# Altium PCB top_LM_v2.PcbDoc (part 1 of 5) (continued)
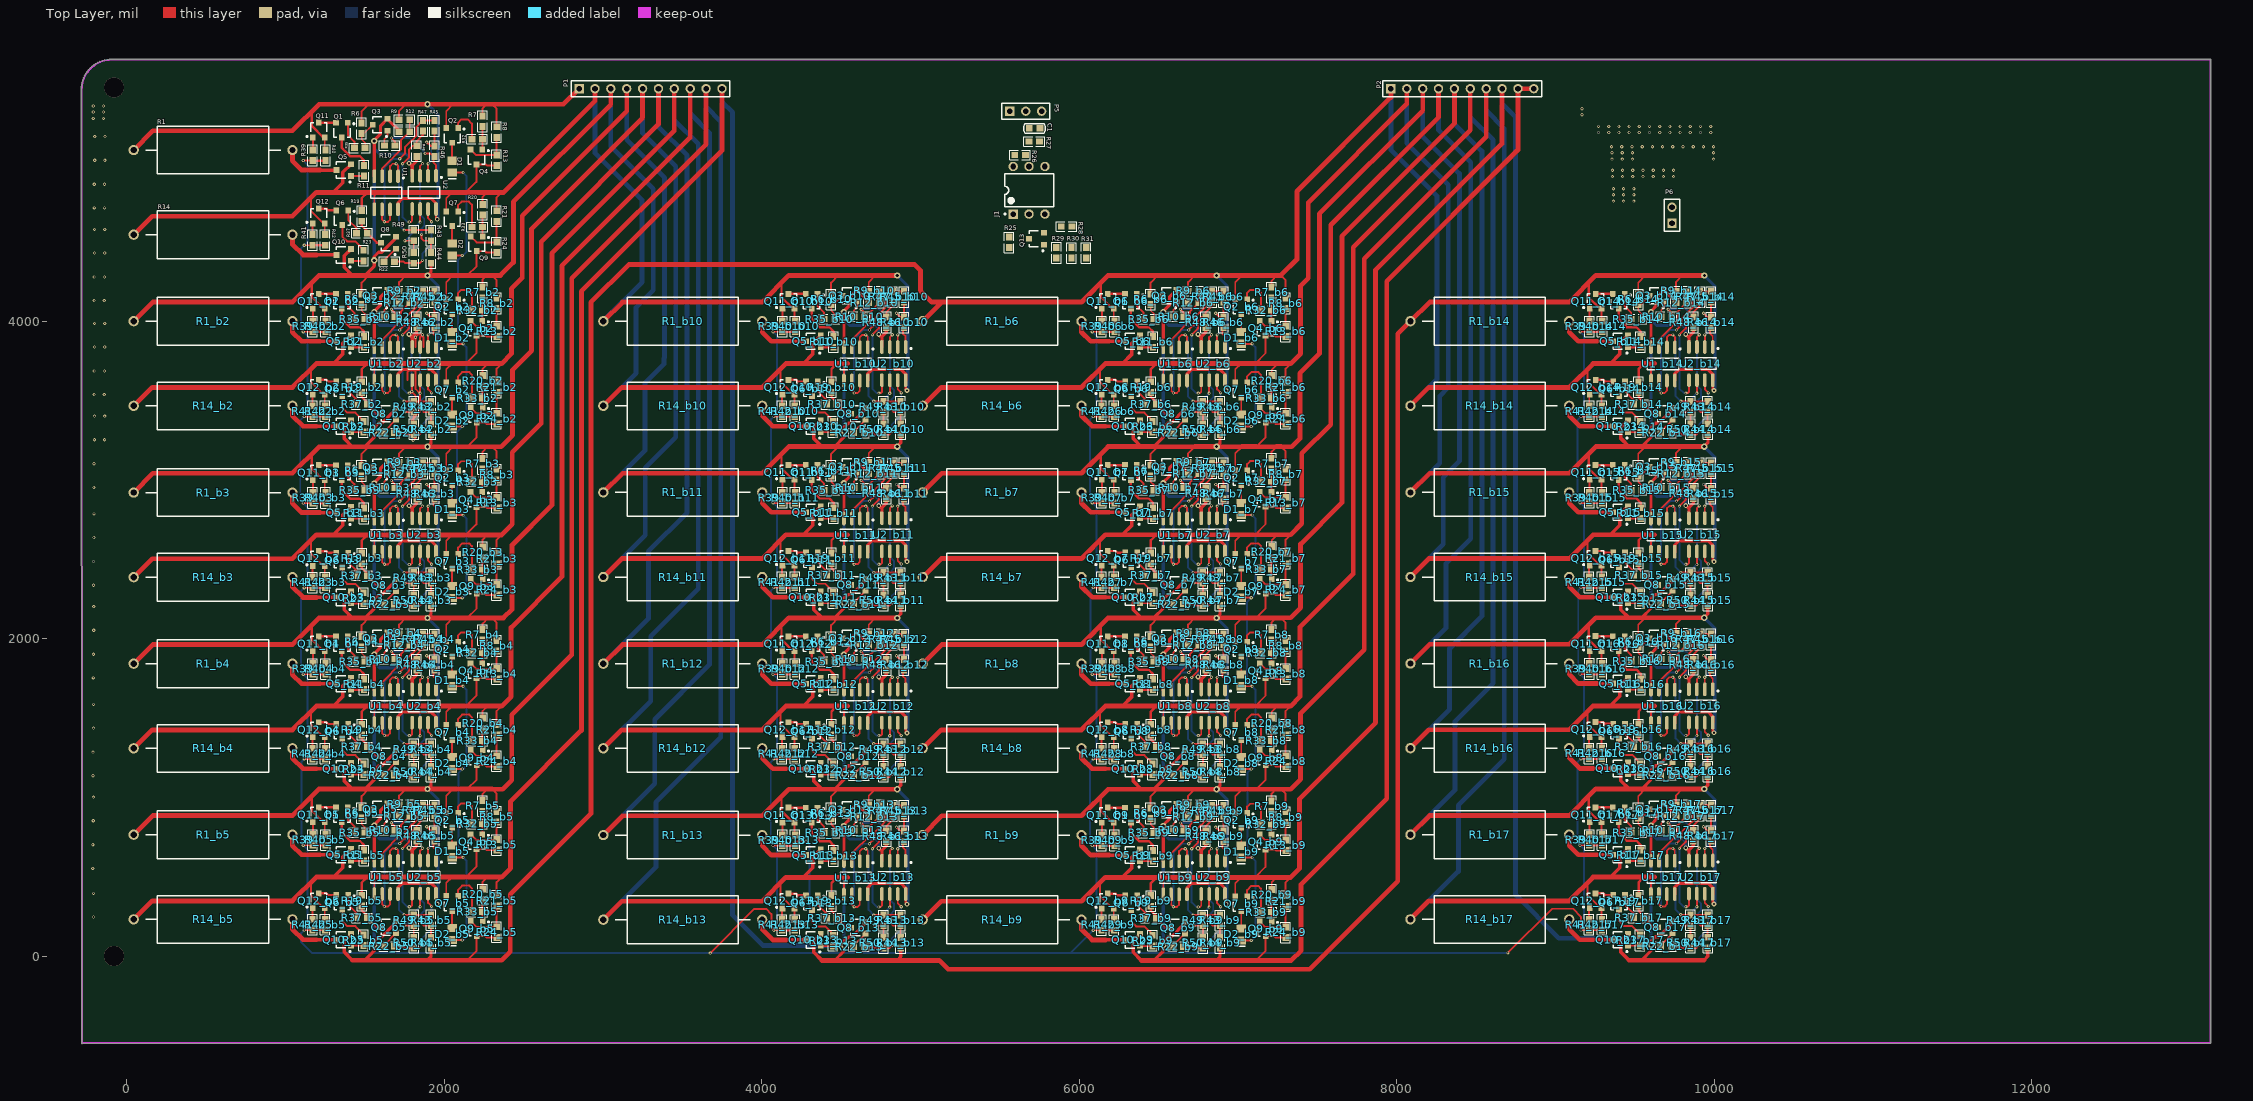
[diagram p0: Top Layer view]
## Components (designator, comment, footprint, x,y, rotation, side; value= is the part's Value field where it differs from the comment) (continued)
Q6_b10 "MMBT3906" SOT23-3 4316.87,3573.54 r180 top (schematic designator Q6)
Q6_b11 "MMBT3906" SOT23-3 4316.87,2495.54 r180 top (schematic designator Q6)
Q6_b12 "MMBT3906" SOT23-3 4316.87,1416.54 r180 top (schematic designator Q6)
Q6_b13 "MMBT3906" SOT23-3 4316.87,337.54 r180 top (schematic designator Q6)
Q6_b14 "MMBT3906" SOT23-3 9399.87,3573.54 r180 top (schematic designator Q6)
Q6_b15 "MMBT3906" SOT23-3 9399.61,2495.54 r180 top (schematic designator Q6)
Q6_b16 "MMBT3906" SOT23-3 9399.61,1417.54 r180 top (schematic designator Q6)
Q6_b17 "MMBT3906" SOT23-3 9399.61,339.54 r180 top (schematic designator Q6)
Q7 "MMBT5400" SOT23-3 2050.87,4644.54 r180 top
Q7_b2 "MMBT5400" SOT23-3 2050.87,3566.54 r180 top (schematic designator Q7)
Q7_b3 "MMBT5400" SOT23-3 2050.87,2487.54 r180 top (schematic designator Q7)
Q7_b4 "MMBT5400" SOT23-3 2050.87,1409.54 r180 top (schematic designator Q7)
Q7_b5 "MMBT5400" SOT23-3 2050.87,332.54 r180 top (schematic designator Q7)
Q7_b6 "MMBT5400" SOT23-3 7020.12,3566.54 r180 top (schematic designator Q7)
Q7_b7 "MMBT5400" SOT23-3 7020.12,2488.54 r180 top (schematic designator Q7)
Q7_b8 "MMBT5400" SOT23-3 7020.12,1409.54 r180 top (schematic designator Q7)
Q7_b9 "MMBT5400" SOT23-3 7020.12,330.54 r180 top (schematic designator Q7)
Q8 "MMBT3904" SOT23-3 1650,4494.26 r90 top
Q8_b2 "MMBT3904" SOT23-3 1650,3416.26 r90 top (schematic designator Q8)
Q8_b3 "MMBT3904" SOT23-3 1650,2337.26 r90 top (schematic designator Q8)
Q8_b4 "MMBT3904" SOT23-3 1650,1259.26 r90 top (schematic designator Q8)
Q8_b5 "MMBT3904" SOT23-3 1650,182.26 r90 top (schematic designator Q8)
Q8_b6 "MMBT3904" SOT23-3 6619.25,3416.26 r90 top (schematic designator Q8)
Q8_b7 "MMBT3904" SOT23-3 6619.25,2338.26 r90 top (schematic designator Q8)
Q8_b8 "MMBT3904" SOT23-3 6619.25,1259.26 r90 top (schematic designator Q8)
Q8_b9 "MMBT3904" SOT23-3 6619.25,180.26 r90 top (schematic designator Q8)
Q8_b10 "MMBT3904" SOT23-3 4608,3416.26 r90 top (schematic designator Q8)
Q8_b11 "MMBT3904" SOT23-3 4608,2338.26 r90 top (schematic designator Q8)
Q8_b12 "MMBT3904" SOT23-3 4608,1259.26 r90 top (schematic designator Q8)
Q8_b13 "MMBT3904" SOT23-3 4608,180.26 r90 top (schematic designator Q8)
Q8_b14 "MMBT3904" SOT23-3 9691,3416.26 r90 top (schematic designator Q8)
Q8_b15 "MMBT3904" SOT23-3 9690.75,2338.26 r90 top (schematic designator Q8)
Q8_b16 "MMBT3904" SOT23-3 9690.75,1260.26 r90 top (schematic designator Q8)
Q8_b17 "MMBT3904" SOT23-3 9690.75,182.26 r90 top (schematic designator Q8)
Q9 "TL431" SOT23-3 2204.87,4486.54 r180 top
Q9_b2 "TL431" SOT23-3 2204.87,3408.54 r180 top (schematic designator Q9)
Q9_b3 "TL431" SOT23-3 2204.87,2329.54 r180 top (schematic designator Q9)
Q9_b4 "TL431" SOT23-3 2204.87,1251.54 r180 top (schematic designator Q9)
Q9_b5 "TL431" SOT23-3 2204.87,174.54 r180 top (schematic designator Q9)
Q9_b6 "TL431" SOT23-3 7174.12,3408.54 r180 top (schematic designator Q9)
Q9_b7 "TL431" SOT23-3 7174.12,2330.54 r180 top (schematic designator Q9)
Q9_b8 "TL431" SOT23-3 7174.12,1251.54 r180 top (schematic designator Q9)
Q9_b9 "TL431" SOT23-3 7174.12,172.54 r180 top (schematic designator Q9)
Q10 "MOSFET-N" SOT23-3 1367.87,4416.54 r90 top
Q10_b2 "MOSFET-N" SOT23-3 1367.87,3338.54 r90 top (schematic designator Q10)
Q10_b3 "MOSFET-N" SOT23-3 1367.87,2259.54 r90 top (schematic designator Q10)
Q10_b4 "MOSFET-N" SOT23-3 1367.87,1181.54 r90 top (schematic designator Q10)
Q10_b5 "MOSFET-N" SOT23-3 1367.87,104.54 r90 top (schematic designator Q10)
Q10_b6 "MOSFET-N" SOT23-3 6337.12,3338.54 r90 top (schematic designator Q10)
Q10_b7 "MOSFET-N" SOT23-3 6337.12,2260.54 r90 top (schematic designator Q10)
Q10_b8 "MOSFET-N" SOT23-3 6337.12,1181.54 r90 top (schematic designator Q10)
Q10_b9 "MOSFET-N" SOT23-3 6337.12,102.54 r90 top (schematic designator Q10)
Q10_b10 "MOSFET-N" SOT23-3 4325.87,3338.54 r90 top (schematic designator Q10)
Q10_b11 "MOSFET-N" SOT23-3 4325.87,2260.54 r90 top (schematic designator Q10)
Q10_b12 "MOSFET-N" SOT23-3 4325.87,1181.54 r90 top (schematic designator Q10)
Q10_b13 "MOSFET-N" SOT23-3 4325.87,102.54 r90 top (schematic designator Q10)
Q10_b14 "MOSFET-N" SOT23-3 9408.87,3338.54 r90 top (schematic designator Q10)
Q10_b15 "MOSFET-N" SOT23-3 9408.61,2260.54 r90 top (schematic designator Q10)
Q10_b16 "MOSFET-N" SOT23-3 9408.61,1182.54 r90 top (schematic designator Q10)
Q10_b17 "MOSFET-N" SOT23-3 9408.61,104.54 r90 top (schematic designator Q10)
Q11 "MMBT3906" SOT23-3 1211,5203.26 r0 top
Q11_b2 "MMBT3906" SOT23-3 1211,4125.26 r0 top (schematic designator Q11)
Q11_b3 "MMBT3906" SOT23-3 1211,3046.26 r0 top (schematic designator Q11)
Q11_b4 "MMBT3906" SOT23-3 1211,1968.26 r0 top (schematic designator Q11)
Q11_b5 "MMBT3906" SOT23-3 1211,891.26 r0 top (schematic designator Q11)
Q11_b6 "MMBT3906" SOT23-3 6180.25,4125.26 r0 top (schematic designator Q11)
Q11_b7 "MMBT3906" SOT23-3 6180.25,3047.26 r0 top (schematic designator Q11)
Q11_b8 "MMBT3906" SOT23-3 6180.25,1968.26 r0 top (schematic designator Q11)
Q11_b9 "MMBT3906" SOT23-3 6180.25,889.26 r0 top (schematic designator Q11)
Q11_b10 "MMBT3906" SOT23-3 4169,4125.26 r0 top (schematic designator Q11)
Q11_b11 "MMBT3906" SOT23-3 4169,3047.26 r0 top (schematic designator Q11)
Q11_b12 "MMBT3906" SOT23-3 4169,1968.26 r0 top (schematic designator Q11)
Q11_b13 "MMBT3906" SOT23-3 4169,889.26 r0 top (schematic designator Q11)
Q11_b14 "MMBT3906" SOT23-3 9252,4125.26 r0 top (schematic designator Q11)
Q11_b15 "MMBT3906" SOT23-3 9251.75,3047.26 r0 top (schematic designator Q11)
Q11_b16 "MMBT3906" SOT23-3 9251.75,1969.26 r0 top (schematic designator Q11)
Q11_b17 "MMBT3906" SOT23-3 9251.75,891.26 r0 top (schematic designator Q11)
Q12 "MMBT3906" SOT23-3 1211,4662.26 r0 top
Q12_b2 "MMBT3906" SOT23-3 1211,3584.26 r0 top (schematic designator Q12)
Q12_b3 "MMBT3906" SOT23-3 1211,2505.26 r0 top (schematic designator Q12)
Q12_b4 "MMBT3906" SOT23-3 1211,1427.26 r0 top (schematic designator Q12)
Q12_b5 "MMBT3906" SOT23-3 1211,350.26 r0 top (schematic designator Q12)
Q12_b6 "MMBT3906" SOT23-3 6180.25,3584.26 r0 top (schematic designator Q12)
Q12_b7 "MMBT3906" SOT23-3 6180.25,2506.26 r0 top (schematic designator Q12)
Q12_b8 "MMBT3906" SOT23-3 6180.25,1427.26 r0 top (schematic designator Q12)
Q12_b9 "MMBT3906" SOT23-3 6180.25,348.26 r0 top (schematic designator Q12)
Q12_b10 "MMBT3906" SOT23-3 4169,3584.26 r0 top (schematic designator Q12)
Q12_b11 "MMBT3906" SOT23-3 4169,2506.26 r0 top (schematic designator Q12)
Q12_b12 "MMBT3906" SOT23-3 4169,1427.26 r0 top (schematic designator Q12)
Q12_b13 "MMBT3906" SOT23-3 4169,348.26 r0 top (schematic designator Q12)
Q12_b14 "MMBT3906" SOT23-3 9252,3584.26 r0 top (schematic designator Q12)
Q12_b15 "MMBT3906" SOT23-3 9251.75,2506.26 r0 top (schematic designator Q12)
Q12_b16 "MMBT3906" SOT23-3 9251.75,1428.26 r0 top (schematic designator Q12)
Q12_b17 "MMBT3906" SOT23-3 9251.75,350.26 r0 top (schematic designator Q12)
Q13 "NPN" SOT23-3 5731,4518 r90 top
R1 "Res1" AXIAL-1.0 545,5077.26 r180 top
R1_b2 "Res1" AXIAL-1.0 545,3999.26 r180 top (schematic designator R1)
R1_b3 "Res1" AXIAL-1.0 545,2920.26 r180 top (schematic designator R1)
R1_b4 "Res1" AXIAL-1.0 545,1842.26 r180 top (schematic designator R1)
R1_b5 "Res1" AXIAL-1.0 545,765.26 r180 top (schematic designator R1)
R1_b6 "Res1" AXIAL-1.0 5514.25,3999.26 r180 top (schematic designator R1)
R1_b7 "Res1" AXIAL-1.0 5514.25,2921.26 r180 top (schematic designator R1)
R1_b8 "Res1" AXIAL-1.0 5514.25,1842.26 r180 top (schematic designator R1)
R1_b9 "Res1" AXIAL-1.0 5514.25,763.26 r180 top (schematic designator R1)
R1_b10 "Res1" AXIAL-1.0 3503,3999.26 r180 top (schematic designator R1)
R1_b11 "Res1" AXIAL-1.0 3503,2921.26 r180 top (schematic designator R1)
R1_b12 "Res1" AXIAL-1.0 3503,1842.26 r180 top (schematic designator R1)
R1_b13 "Res1" AXIAL-1.0 3503,763.26 r180 top (schematic designator R1)
R1_b14 "Res1" AXIAL-1.0 8586,3999.26 r180 top (schematic designator R1)
R1_b15 "Res1" AXIAL-1.0 8585.75,2921.26 r180 top (schematic designator R1)
R1_b16 "Res1" AXIAL-1.0 8585.75,1843.26 r180 top (schematic designator R1)
R1_b17 "Res1" AXIAL-1.0 8585.75,765.26 r180 top (schematic designator R1)
R6 "Res1" 0603-1 1479.87,5215 r90 top
R6_b2 "Res1" 0603-1 1479.87,4137 r90 top (schematic designator R6)
R6_b3 "Res1" 0603-1 1479.87,3058 r90 top (schematic designator R6)
R6_b4 "Res1" 0603-1 1479.87,1980 r90 top (schematic designator R6)
R6_b5 "Res1" 0603-1 1479.87,903 r90 top (schematic designator R6)
R6_b6 "Res1" 0603-1 6449.12,4137 r90 top (schematic designator R6)
R6_b7 "Res1" 0603-1 6449.12,3059 r90 top (schematic designator R6)
R6_b8 "Res1" 0603-1 6449.12,1980 r90 top (schematic designator R6)
R6_b9 "Res1" 0603-1 6449.12,901 r90 top (schematic designator R6)
R6_b10 "Res1" 0603-1 4437.87,4137 r90 top (schematic designator R6)
R6_b11 "Res1" 0603-1 4437.87,3059 r90 top (schematic designator R6)
R6_b12 "Res1" 0603-1 4437.87,1980 r90 top (schematic designator R6)
R6_b13 "Res1" 0603-1 4437.87,901 r90 top (schematic designator R6)
R6_b14 "Res1" 0603-1 9520.87,4137 r90 top (schematic designator R6)
R6_b15 "Res1" 0603-1 9520.61,3059 r90 top (schematic designator R6)
R6_b16 "Res1" 0603-1 9520.61,1981 r90 top (schematic designator R6)
R6_b17 "Res1" 0603-1 9520.61,903 r90 top (schematic designator R6)
R7 "Res1" 0603-1 2242,5259 r90 top
R7_b2 "Res1" 0603-1 2242,4181 r90 top (schematic designator R7)
R7_b3 "Res1" 0603-1 2242,3102 r90 top (schematic designator R7)
R7_b4 "Res1" 0603-1 2242,2024 r90 top (schematic designator R7)
R7_b5 "Res1" 0603-1 2242,947 r90 top (schematic designator R7)
R7_b6 "Res1" 0603-1 7211.25,4181 r90 top (schematic designator R7)
R7_b7 "Res1" 0603-1 7211.25,3103 r90 top (schematic designator R7)
R7_b8 "Res1" 0603-1 7211.25,2024 r90 top (schematic designator R7)
R7_b9 "Res1" 0603-1 7211.25,945 r90 top (schematic designator R7)
R8 "Res1" 0603-1 2330.87,5190.54 r90 top
R8_b2 "Res1" 0603-1 2330.87,4112.54 r90 top (schematic designator R8)
R8_b3 "Res1" 0603-1 2330.87,3033.54 r90 top (schematic designator R8)
R8_b4 "Res1" 0603-1 2330.87,1955.54 r90 top (schematic designator R8)
R8_b5 "Res1" 0603-1 2330.87,878.54 r90 top (schematic designator R8)
R8_b6 "Res1" 0603-1 7300.12,4112.54 r90 top (schematic designator R8)
R8_b7 "Res1" 0603-1 7300.12,3034.54 r90 top (schematic designator R8)
R8_b8 "Res1" 0603-1 7300.12,1955.54 r90 top (schematic designator R8)
R8_b9 "Res1" 0603-1 7300.12,876.54 r90 top (schematic designator R8)
R9 "Res1" 0603-1 1750,5268.26 r180 top
R9_b2 "Res1" 0603-1 1750,4190.26 r180 top (schematic designator R9)
R9_b3 "Res1" 0603-1 1750,3111.26 r180 top (schematic designator R9)
R9_b4 "Res1" 0603-1 1750,2033.26 r180 top (schematic designator R9)
R9_b5 "Res1" 0603-1 1750,956.26 r180 top (schematic designator R9)
R9_b6 "Res1" 0603-1 6719.25,4190.26 r180 top (schematic designator R9)
R9_b7 "Res1" 0603-1 6719.25,3112.26 r180 top (schematic designator R9)
R9_b8 "Res1" 0603-1 6719.25,2033.26 r180 top (schematic designator R9)
R9_b9 "Res1" 0603-1 6719.25,954.26 r180 top (schematic designator R9)
R9_b10 "Res1" 0603-1 4708,4190.26 r180 top (schematic designator R9)
R9_b11 "Res1" 0603-1 4708,3112.26 r180 top (schematic designator R9)
R9_b12 "Res1" 0603-1 4708,2033.26 r180 top (schematic designator R9)
R9_b13 "Res1" 0603-1 4708,954.26 r180 top (schematic designator R9)
R9_b14 "Res1" 0603-1 9791,4190.26 r180 top (schematic designator R9)
R9_b15 "Res1" 0603-1 9790.75,3112.26 r180 top (schematic designator R9)
R9_b16 "Res1" 0603-1 9790.75,2034.26 r180 top (schematic designator R9)
R9_b17 "Res1" 0603-1 9790.75,956.26 r180 top (schematic designator R9)
R10 "Res1" 0603-1 1657,5106.26 r0 top
R10_b2 "Res1" 0603-1 1657,4028.26 r0 top (schematic designator R10)
R10_b3 "Res1" 0603-1 1657,2949.26 r0 top (schematic designator R10)
R10_b4 "Res1" 0603-1 1657,1871.26 r0 top (schematic designator R10)
R10_b5 "Res1" 0603-1 1657,794.26 r0 top (schematic designator R10)
R10_b6 "Res1" 0603-1 6626.25,4028.26 r0 top (schematic designator R10)
R10_b7 "Res1" 0603-1 6626.25,2950.26 r0 top (schematic designator R10)
R10_b8 "Res1" 0603-1 6626.25,1871.26 r0 top (schematic designator R10)
R10_b9 "Res1" 0603-1 6626.25,792.26 r0 top (schematic designator R10)
R10_b10 "Res1" 0603-1 4615,4028.26 r0 top (schematic designator R10)
R10_b11 "Res1" 0603-1 4615,2950.26 r0 top (schematic designator R10)
R10_b12 "Res1" 0603-1 4615,1871.26 r0 top (schematic designator R10)
R10_b13 "Res1" 0603-1 4615,792.26 r0 top (schematic designator R10)
R10_b14 "Res1" 0603-1 9698,4028.26 r0 top (schematic designator R10)
R10_b15 "Res1" 0603-1 9697.75,2950.26 r0 top (schematic designator R10)
R10_b16 "Res1" 0603-1 9697.75,1872.26 r0 top (schematic designator R10)
R10_b17 "Res1" 0603-1 9697.75,794.26 r0 top (schematic designator R10)
R11 "Res1" 0603-1 1495,4947.26 r90 top
R11_b2 "Res1" 0603-1 1495,3869.26 r90 top (schematic designator R11)
R11_b3 "Res1" 0603-1 1495,2790.26 r90 top (schematic designator R11)
R11_b4 "Res1" 0603-1 1495,1712.26 r90 top (schematic designator R11)
R11_b5 "Res1" 0603-1 1495,635.26 r90 top (schematic designator R11)
R11_b6 "Res1" 0603-1 6464.25,3869.26 r90 top (schematic designator R11)
R11_b7 "Res1" 0603-1 6464.25,2791.26 r90 top (schematic designator R11)
R11_b8 "Res1" 0603-1 6464.25,1712.26 r90 top (schematic designator R11)
R11_b9 "Res1" 0603-1 6464.25,633.26 r90 top (schematic designator R11)
R11_b10 "Res1" 0603-1 4453,3869.26 r90 top (schematic designator R11)
R11_b11 "Res1" 0603-1 4453,2791.26 r90 top (schematic designator R11)
R11_b12 "Res1" 0603-1 4453,1712.26 r90 top (schematic designator R11)
R11_b13 "Res1" 0603-1 4453,633.26 r90 top (schematic designator R11)
R11_b14 "Res1" 0603-1 9536,3869.26 r90 top (schematic designator R11)
R11_b15 "Res1" 0603-1 9535.75,2791.26 r90 top (schematic designator R11)
R11_b16 "Res1" 0603-1 9535.75,1713.26 r90 top (schematic designator R11)
R11_b17 "Res1" 0603-1 9535.75,635.26 r90 top (schematic designator R11)
R12 "Res1" 0603-1 1750,5193.26 r0 top
R12_b2 "Res1" 0603-1 1750,4115.26 r0 top (schematic designator R12)
R12_b3 "Res1" 0603-1 1750,3036.26 r0 top (schematic designator R12)
R12_b4 "Res1" 0603-1 1750,1958.26 r0 top (schematic designator R12)
R12_b5 "Res1" 0603-1 1750,881.26 r0 top (schematic designator R12)
R12_b6 "Res1" 0603-1 6719.25,4115.26 r0 top (schematic designator R12)
R12_b7 "Res1" 0603-1 6719.25,3037.26 r0 top (schematic designator R12)
R12_b8 "Res1" 0603-1 6719.25,1958.26 r0 top (schematic designator R12)
R12_b9 "Res1" 0603-1 6719.25,879.26 r0 top (schematic designator R12)
R12_b10 "Res1" 0603-1 4708,4115.26 r0 top (schematic designator R12)
R12_b11 "Res1" 0603-1 4708,3037.26 r0 top (schematic designator R12)
R12_b12 "Res1" 0603-1 4708,1958.26 r0 top (schematic designator R12)
R12_b13 "Res1" 0603-1 4708,879.26 r0 top (schematic designator R12)
R12_b14 "Res1" 0603-1 9791,4115.26 r0 top (schematic designator R12)
R12_b15 "Res1" 0603-1 9790.75,3037.26 r0 top (schematic designator R12)
R12_b16 "Res1" 0603-1 9790.75,1959.26 r0 top (schematic designator R12)
R12_b17 "Res1" 0603-1 9790.75,881.26 r0 top (schematic designator R12)
R13 "Res1" 0603-1 2330.87,5013.54 r90 top
R13_b2 "Res1" 0603-1 2330.87,3935.54 r90 top (schematic designator R13)
R13_b3 "Res1" 0603-1 2330.87,2856.54 r90 top (schematic designator R13)
R13_b4 "Res1" 0603-1 2330.87,1778.54 r90 top (schematic designator R13)
R13_b5 "Res1" 0603-1 2330.87,701.54 r90 top (schematic designator R13)
R13_b6 "Res1" 0603-1 7300.12,3935.54 r90 top (schematic designator R13)
R13_b7 "Res1" 0603-1 7300.12,2857.54 r90 top (schematic designator R13)
R13_b8 "Res1" 0603-1 7300.12,1778.54 r90 top (schematic designator R13)
R13_b9 "Res1" 0603-1 7300.12,699.54 r90 top (schematic designator R13)
R14 "Res1" AXIAL-1.0 545,4544.26 r180 top
R14_b2 "Res1" AXIAL-1.0 545,3466.26 r180 top (schematic designator R14)
R14_b3 "Res1" AXIAL-1.0 545,2387.26 r180 top (schematic designator R14)
R14_b4 "Res1" AXIAL-1.0 545,1309.26 r180 top (schematic designator R14)
R14_b5 "Res1" AXIAL-1.0 545,232.26 r180 top (schematic designator R14)
R14_b6 "Res1" AXIAL-1.0 5514.25,3466.26 r180 top (schematic designator R14)
R14_b7 "Res1" AXIAL-1.0 5514.25,2388.26 r180 top (schematic designator R14)
R14_b8 "Res1" AXIAL-1.0 5514.25,1309.26 r180 top (schematic designator R14)
R14_b9 "Res1" AXIAL-1.0 5514.25,230.26 r180 top (schematic designator R14)
R14_b10 "Res1" AXIAL-1.0 3503,3466.26 r180 top (schematic designator R14)
R14_b11 "Res1" AXIAL-1.0 3503,2388.26 r180 top (schematic designator R14)
R14_b12 "Res1" AXIAL-1.0 3503,1309.26 r180 top (schematic designator R14)
R14_b13 "Res1" AXIAL-1.0 3503,230.26 r180 top (schematic designator R14)
R14_b14 "Res1" AXIAL-1.0 8586,3466.26 r180 top (schematic designator R14)
R14_b15 "Res1" AXIAL-1.0 8585.75,2388.26 r180 top (schematic designator R14)
R14_b16 "Res1" AXIAL-1.0 8585.75,1310.26 r180 top (schematic designator R14)
R14_b17 "Res1" AXIAL-1.0 8585.75,232.26 r180 top (schematic designator R14)
R19 "Res1" 0603-1 1481.87,4662.54 r90 top
R19_b2 "Res1" 0603-1 1481.87,3584.54 r90 top (schematic designator R19)
R19_b3 "Res1" 0603-1 1481.87,2505.54 r90 top (schematic designator R19)
R19_b4 "Res1" 0603-1 1481.87,1427.54 r90 top (schematic designator R19)
R19_b5 "Res1" 0603-1 1481.87,350.54 r90 top (schematic designator R19)
R19_b6 "Res1" 0603-1 6451.12,3584.54 r90 top (schematic designator R19)
R19_b7 "Res1" 0603-1 6451.12,2506.54 r90 top (schematic designator R19)
R19_b8 "Res1" 0603-1 6451.12,1427.54 r90 top (schematic designator R19)
R19_b9 "Res1" 0603-1 6451.12,348.54 r90 top (schematic designator R19)
R19_b10 "Res1" 0603-1 4439.87,3584.54 r90 top (schematic designator R19)
R19_b11 "Res1" 0603-1 4439.87,2506.54 r90 top (schematic designator R19)
R19_b12 "Res1" 0603-1 4439.87,1427.54 r90 top (schematic designator R19)
R19_b13 "Res1" 0603-1 4439.87,348.54 r90 top (schematic designator R19)
R19_b14 "Res1" 0603-1 9522.87,3584.54 r90 top (schematic designator R19)
R19_b15 "Res1" 0603-1 9522.61,2506.54 r90 top (schematic designator R19)
R19_b16 "Res1" 0603-1 9522.61,1428.54 r90 top (schematic designator R19)
R19_b17 "Res1" 0603-1 9522.61,350.54 r90 top (schematic designator R19)
R20 "Res1" 0603-1 2243,4702 r90 top
R20_b2 "Res1" 0603-1 2243,3624 r90 top (schematic designator R20)
R20_b3 "Res1" 0603-1 2243,2545 r90 top (schematic designator R20)
R20_b4 "Res1" 0603-1 2243,1467 r90 top (schematic designator R20)
R20_b5 "Res1" 0603-1 2243,390 r90 top (schematic designator R20)
R20_b6 "Res1" 0603-1 7212.25,3624 r90 top (schematic designator R20)
R20_b7 "Res1" 0603-1 7212.25,2546 r90 top (schematic designator R20)
R20_b8 "Res1" 0603-1 7212.25,1467 r90 top (schematic designator R20)
R20_b9 "Res1" 0603-1 7212.25,388 r90 top (schematic designator R20)
R21 "Res1" 0603-1 2330.87,4661.54 r90 top
R21_b2 "Res1" 0603-1 2330.87,3583.54 r90 top (schematic designator R21)
R21_b3 "Res1" 0603-1 2330.87,2504.54 r90 top (schematic designator R21)
R21_b4 "Res1" 0603-1 2330.87,1426.54 r90 top (schematic designator R21)
R21_b5 "Res1" 0603-1 2330.87,349.54 r90 top (schematic designator R21)
R21_b6 "Res1" 0603-1 7300.12,3583.54 r90 top (schematic designator R21)
R21_b7 "Res1" 0603-1 7300.12,2505.54 r90 top (schematic designator R21)
R21_b8 "Res1" 0603-1 7300.12,1426.54 r90 top (schematic designator R21)
R21_b9 "Res1" 0603-1 7300.12,347.54 r90 top (schematic designator R21)
R22 "Res1" 0603-1 1655,4374.26 r180 top
R22_b2 "Res1" 0603-1 1655,3296.26 r180 top (schematic designator R22)
R22_b3 "Res1" 0603-1 1655,2217.26 r180 top (schematic designator R22)
R22_b4 "Res1" 0603-1 1655,1139.26 r180 top (schematic designator R22)
R22_b5 "Res1" 0603-1 1655,62.26 r180 top (schematic designator R22)
R22_b6 "Res1" 0603-1 6624.25,3296.26 r180 top (schematic designator R22)
R22_b7 "Res1" 0603-1 6624.25,2218.26 r180 top (schematic designator R22)
R22_b8 "Res1" 0603-1 6624.25,1139.26 r180 top (schematic designator R22)
R22_b9 "Res1" 0603-1 6624.25,60.26 r180 top (schematic designator R22)
R22_b10 "Res1" 0603-1 4613,3296.26 r180 top (schematic designator R22)
R22_b11 "Res1" 0603-1 4613,2218.26 r180 top (schematic designator R22)
R22_b12 "Res1" 0603-1 4613,1139.26 r180 top (schematic designator R22)
R22_b13 "Res1" 0603-1 4613,60.26 r180 top (schematic designator R22)
R22_b14 "Res1" 0603-1 9696,3296.26 r180 top (schematic designator R22)
R22_b15 "Res1" 0603-1 9695.75,2218.26 r180 top (schematic designator R22)
R22_b16 "Res1" 0603-1 9695.75,1140.26 r180 top (schematic designator R22)
R22_b17 "Res1" 0603-1 9695.75,62.26 r180 top (schematic designator R22)
R23 "Res1" 0603-1 1492.25,4412.54 r90 top
R23_b2 "Res1" 0603-1 1492.25,3334.54 r90 top (schematic designator R23)
R23_b3 "Res1" 0603-1 1492.25,2255.54 r90 top (schematic designator R23)
R23_b4 "Res1" 0603-1 1492.25,1177.54 r90 top (schematic designator R23)
R23_b5 "Res1" 0603-1 1492.25,100.54 r90 top (schematic designator R23)
R23_b6 "Res1" 0603-1 6461.5,3334.54 r90 top (schematic designator R23)
R23_b7 "Res1" 0603-1 6461.5,2256.54 r90 top (schematic designator R23)
R23_b8 "Res1" 0603-1 6461.5,1177.54 r90 top (schematic designator R23)
R23_b9 "Res1" 0603-1 6461.5,98.54 r90 top (schematic designator R23)
R23_b10 "Res1" 0603-1 4450.25,3334.54 r90 top (schematic designator R23)
R23_b11 "Res1" 0603-1 4450.25,2256.54 r90 top (schematic designator R23)
R23_b12 "Res1" 0603-1 4450.25,1177.54 r90 top (schematic designator R23)
R23_b13 "Res1" 0603-1 4450.25,98.54 r90 top (schematic designator R23)
R23_b14 "Res1" 0603-1 9533.25,3334.54 r90 top (schematic designator R23)
R23_b15 "Res1" 0603-1 9533,2256.54 r90 top (schematic designator R23)
R23_b16 "Res1" 0603-1 9533,1178.54 r90 top (schematic designator R23)
R23_b17 "Res1" 0603-1 9533,100.54 r90 top (schematic designator R23)
R24 "Res1" 0603-1 2330.87,4464.54 r90 top
R24_b2 "Res1" 0603-1 2330.87,3386.54 r90 top (schematic designator R24)
R24_b3 "Res1" 0603-1 2330.87,2307.54 r90 top (schematic designator R24)
R24_b4 "Res1" 0603-1 2330.87,1229.54 r90 top (schematic designator R24)
R24_b5 "Res1" 0603-1 2330.87,152.54 r90 top (schematic designator R24)
R24_b6 "Res1" 0603-1 7300.12,3386.54 r90 top (schematic designator R24)
R24_b7 "Res1" 0603-1 7300.12,2308.54 r90 top (schematic designator R24)
R24_b8 "Res1" 0603-1 7300.12,1229.54 r90 top (schematic designator R24)
R24_b9 "Res1" 0603-1 7300.12,150.54 r90 top (schematic designator R24)
R25 "Res1" 0603-1 5559,4496 r90 top
R26 "Res1" 0603-1 5627,5046 r0 top
R27 "Res1" 0603-1 5717,5131 r0 top
R28 "Res1" 0603-1 5920,4596 r0 top
R29 "Res1" 0603-1 5856,4431 r90 top
R30 "Res1" 0603-1 5952,4430 r90 top
R31 "Res1" 0603-1 6044,4430 r90 top
R32 "Res1" 0603-1 2208,5146 r180 top
R32_b2 "Res1" 0603-1 2208,4068 r180 top (schematic designator R32)
R32_b3 "Res1" 0603-1 2208,2989 r180 top (schematic designator R32)
R32_b4 "Res1" 0603-1 2208,1911 r180 top (schematic designator R32)
R32_b5 "Res1" 0603-1 2208,834 r180 top (schematic designator R32)
R32_b6 "Res1" 0603-1 7177.25,4068 r180 top (schematic designator R32)
R32_b7 "Res1" 0603-1 7177.25,2990 r180 top (schematic designator R32)
R32_b8 "Res1" 0603-1 7177.25,1911 r180 top (schematic designator R32)
R32_b9 "Res1" 0603-1 7177.25,832 r180 top (schematic designator R32)
R33 "Res1" 0603-1 2209,4592 r180 top
R33_b2 "Res1" 0603-1 2209,3514 r180 top (schematic designator R33)
R33_b3 "Res1" 0603-1 2209,2435 r180 top (schematic designator R33)
R33_b4 "Res1" 0603-1 2209,1357 r180 top (schematic designator R33)
R33_b5 "Res1" 0603-1 2209,280 r180 top (schematic designator R33)
R33_b6 "Res1" 0603-1 7178.25,3514 r180 top (schematic designator R33)
R33_b7 "Res1" 0603-1 7178.25,2436 r180 top (schematic designator R33)
R33_b8 "Res1" 0603-1 7178.25,1357 r180 top (schematic designator R33)
R33_b9 "Res1" 0603-1 7178.25,278 r180 top (schematic designator R33)
R35 "Res1" 0603-1 1469,5091.26 r180 top
R35_b2 "Res1" 0603-1 1469,4013.26 r180 top (schematic designator R35)
R35_b3 "Res1" 0603-1 1469,2934.26 r180 top (schematic designator R35)
R35_b4 "Res1" 0603-1 1469,1856.26 r180 top (schematic designator R35)
R35_b5 "Res1" 0603-1 1469,779.26 r180 top (schematic designator R35)
R35_b6 "Res1" 0603-1 6438.25,4013.26 r180 top (schematic designator R35)
R35_b7 "Res1" 0603-1 6438.25,2935.26 r180 top (schematic designator R35)
R35_b8 "Res1" 0603-1 6438.25,1856.26 r180 top (schematic designator R35)
R35_b9 "Res1" 0603-1 6438.25,777.26 r180 top (schematic designator R35)
R35_b10 "Res1" 0603-1 4427,4013.26 r180 top (schematic designator R35)
R35_b11 "Res1" 0603-1 4427,2935.26 r180 top (schematic designator R35)
R35_b12 "Res1" 0603-1 4427,1856.26 r180 top (schematic designator R35)
R35_b13 "Res1" 0603-1 4427,777.26 r180 top (schematic designator R35)
R35_b14 "Res1" 0603-1 9510,4013.26 r180 top (schematic designator R35)
R35_b15 "Res1" 0603-1 9509.75,2935.26 r180 top (schematic designator R35)
R35_b16 "Res1" 0603-1 9509.75,1857.26 r180 top (schematic designator R35)
R35_b17 "Res1" 0603-1 9509.75,779.26 r180 top (schematic designator R35)
R37 "Res1" 0603-1 1482.87,4554 r180 top
R37_b2 "Res1" 0603-1 1482.87,3476 r180 top (schematic designator R37)
R37_b3 "Res1" 0603-1 1482.87,2397 r180 top (schematic designator R37)
R37_b4 "Res1" 0603-1 1482.87,1319 r180 top (schematic designator R37)
R37_b5 "Res1" 0603-1 1482.87,242 r180 top (schematic designator R37)
R37_b6 "Res1" 0603-1 6452.12,3476 r180 top (schematic designator R37)
R37_b7 "Res1" 0603-1 6452.12,2398 r180 top (schematic designator R37)
R37_b8 "Res1" 0603-1 6452.12,1319 r180 top (schematic designator R37)
R37_b9 "Res1" 0603-1 6452.12,240 r180 top (schematic designator R37)
R37_b10 "Res1" 0603-1 4440.87,3476 r180 top (schematic designator R37)
R37_b11 "Res1" 0603-1 4440.87,2398 r180 top (schematic designator R37)
R37_b12 "Res1" 0603-1 4440.87,1319 r180 top (schematic designator R37)
R37_b13 "Res1" 0603-1 4440.87,240 r180 top (schematic designator R37)
R37_b14 "Res1" 0603-1 9523.87,3476 r180 top (schematic designator R37)
R37_b15 "Res1" 0603-1 9523.61,2398 r180 top (schematic designator R37)
R37_b16 "Res1" 0603-1 9523.61,1320 r180 top (schematic designator R37)
R37_b17 "Res1" 0603-1 9523.61,242 r180 top (schematic designator R37)
R39 "Res1" 0603-1 1172,5044.26 r90 top
R39_b2 "Res1" 0603-1 1172,3966.26 r90 top (schematic designator R39)
R39_b3 "Res1" 0603-1 1172,2887.26 r90 top (schematic designator R39)
R39_b4 "Res1" 0603-1 1172,1809.26 r90 top (schematic designator R39)
R39_b5 "Res1" 0603-1 1172,732.26 r90 top (schematic designator R39)
R39_b6 "Res1" 0603-1 6141.25,3966.26 r90 top (schematic designator R39)
R39_b7 "Res1" 0603-1 6141.25,2888.26 r90 top (schematic designator R39)
R39_b8 "Res1" 0603-1 6141.25,1809.26 r90 top (schematic designator R39)
R39_b9 "Res1" 0603-1 6141.25,730.26 r90 top (schematic designator R39)
R39_b10 "Res1" 0603-1 4130,3966.26 r90 top (schematic designator R39)
R39_b11 "Res1" 0603-1 4130,2888.26 r90 top (schematic designator R39)
R39_b12 "Res1" 0603-1 4130,1809.26 r90 top (schematic designator R39)
R39_b13 "Res1" 0603-1 4130,730.26 r90 top (schematic designator R39)
R39_b14 "Res1" 0603-1 9213,3966.26 r90 top (schematic designator R39)
R39_b15 "Res1" 0603-1 9212.75,2888.26 r90 top (schematic designator R39)
R39_b16 "Res1" 0603-1 9212.75,1810.26 r90 top (schematic designator R39)
R39_b17 "Res1" 0603-1 9212.75,732.26 r90 top (schematic designator R39)
R40 "Res1" 0603-1 1253,5044.26 r270 top
R40_b2 "Res1" 0603-1 1253,3966.26 r270 top (schematic designator R40)
R40_b3 "Res1" 0603-1 1253,2887.26 r270 top (schematic designator R40)
R40_b4 "Res1" 0603-1 1253,1809.26 r270 top (schematic designator R40)
R40_b5 "Res1" 0603-1 1253,732.26 r270 top (schematic designator R40)
R40_b6 "Res1" 0603-1 6222.25,3966.26 r270 top (schematic designator R40)
R40_b7 "Res1" 0603-1 6222.25,2888.26 r270 top (schematic designator R40)
R40_b8 "Res1" 0603-1 6222.25,1809.26 r270 top (schematic designator R40)
R40_b9 "Res1" 0603-1 6222.25,730.26 r270 top (schematic designator R40)
R40_b10 "Res1" 0603-1 4211,3966.26 r270 top (schematic designator R40)
R40_b11 "Res1" 0603-1 4211,2888.26 r270 top (schematic designator R40)
R40_b12 "Res1" 0603-1 4211,1809.26 r270 top (schematic designator R40)
R40_b13 "Res1" 0603-1 4211,730.26 r270 top (schematic designator R40)
R40_b14 "Res1" 0603-1 9294,3966.26 r270 top (schematic designator R40)
R40_b15 "Res1" 0603-1 9293.75,2888.26 r270 top (schematic designator R40)
R40_b16 "Res1" 0603-1 9293.75,1810.26 r270 top (schematic designator R40)
R40_b17 "Res1" 0603-1 9293.75,732.26 r270 top (schematic designator R40)
R41 "Res1" 0603-1 1171,4511.26 r270 top
R41_b2 "Res1" 0603-1 1171,3433.26 r270 top (schematic designator R41)
R41_b3 "Res1" 0603-1 1171,2354.26 r270 top (schematic designator R41)
R41_b4 "Res1" 0603-1 1171,1276.26 r270 top (schematic designator R41)
R41_b5 "Res1" 0603-1 1171,199.26 r270 top (schematic designator R41)
R41_b6 "Res1" 0603-1 6140.25,3433.26 r270 top (schematic designator R41)
R41_b7 "Res1" 0603-1 6140.25,2355.26 r270 top (schematic designator R41)
R41_b8 "Res1" 0603-1 6140.25,1276.26 r270 top (schematic designator R41)
R41_b9 "Res1" 0603-1 6140.25,197.26 r270 top (schematic designator R41)
R41_b10 "Res1" 0603-1 4129,3433.26 r270 top (schematic designator R41)
R41_b11 "Res1" 0603-1 4129,2355.26 r270 top (schematic designator R41)
R41_b12 "Res1" 0603-1 4129,1276.26 r270 top (schematic designator R41)
R41_b13 "Res1" 0603-1 4129,197.26 r270 top (schematic designator R41)
R41_b14 "Res1" 0603-1 9212,3433.26 r270 top (schematic designator R41)
R41_b15 "Res1" 0603-1 9211.75,2355.26 r270 top (schematic designator R41)
R41_b16 "Res1" 0603-1 9211.75,1277.26 r270 top (schematic designator R41)
R41_b17 "Res1" 0603-1 9211.75,199.26 r270 top (schematic designator R41)
R42 "Res1" 0603-1 1251,4511.26 r270 top
R42_b2 "Res1" 0603-1 1251,3433.26 r270 top (schematic designator R42)
R42_b3 "Res1" 0603-1 1251,2354.26 r270 top (schematic designator R42)
R42_b4 "Res1" 0603-1 1251,1276.26 r270 top (schematic designator R42)
R42_b5 "Res1" 0603-1 1251,199.26 r270 top (schematic designator R42)
R42_b6 "Res1" 0603-1 6220.25,3433.26 r270 top (schematic designator R42)
R42_b7 "Res1" 0603-1 6220.25,2355.26 r270 top (schematic designator R42)
R42_b8 "Res1" 0603-1 6220.25,1276.26 r270 top (schematic designator R42)
R42_b9 "Res1" 0603-1 6220.25,197.26 r270 top (schematic designator R42)
R42_b10 "Res1" 0603-1 4209,3433.26 r270 top (schematic designator R42)
R42_b11 "Res1" 0603-1 4209,2355.26 r270 top (schematic designator R42)
R42_b12 "Res1" 0603-1 4209,1276.26 r270 top (schematic designator R42)
R42_b13 "Res1" 0603-1 4209,197.26 r270 top (schematic designator R42)
R42_b14 "Res1" 0603-1 9292,3433.26 r270 top (schematic designator R42)
R42_b15 "Res1" 0603-1 9291.75,2355.26 r270 top (schematic designator R42)
R42_b16 "Res1" 0603-1 9291.75,1277.26 r270 top (schematic designator R42)
R42_b17 "Res1" 0603-1 9291.75,199.26 r270 top (schematic designator R42)
R43 "Res1" 0603-1 1917,4539.26 r270 top
R43_b2 "Res1" 0603-1 1917,3461.26 r270 top (schematic designator R43)
R43_b3 "Res1" 0603-1 1917,2382.26 r270 top (schematic designator R43)
R43_b4 "Res1" 0603-1 1917,1304.26 r270 top (schematic designator R43)